# Altium PCB Gesturelink V1.PcbDoc (part 1 of 9) (continued)
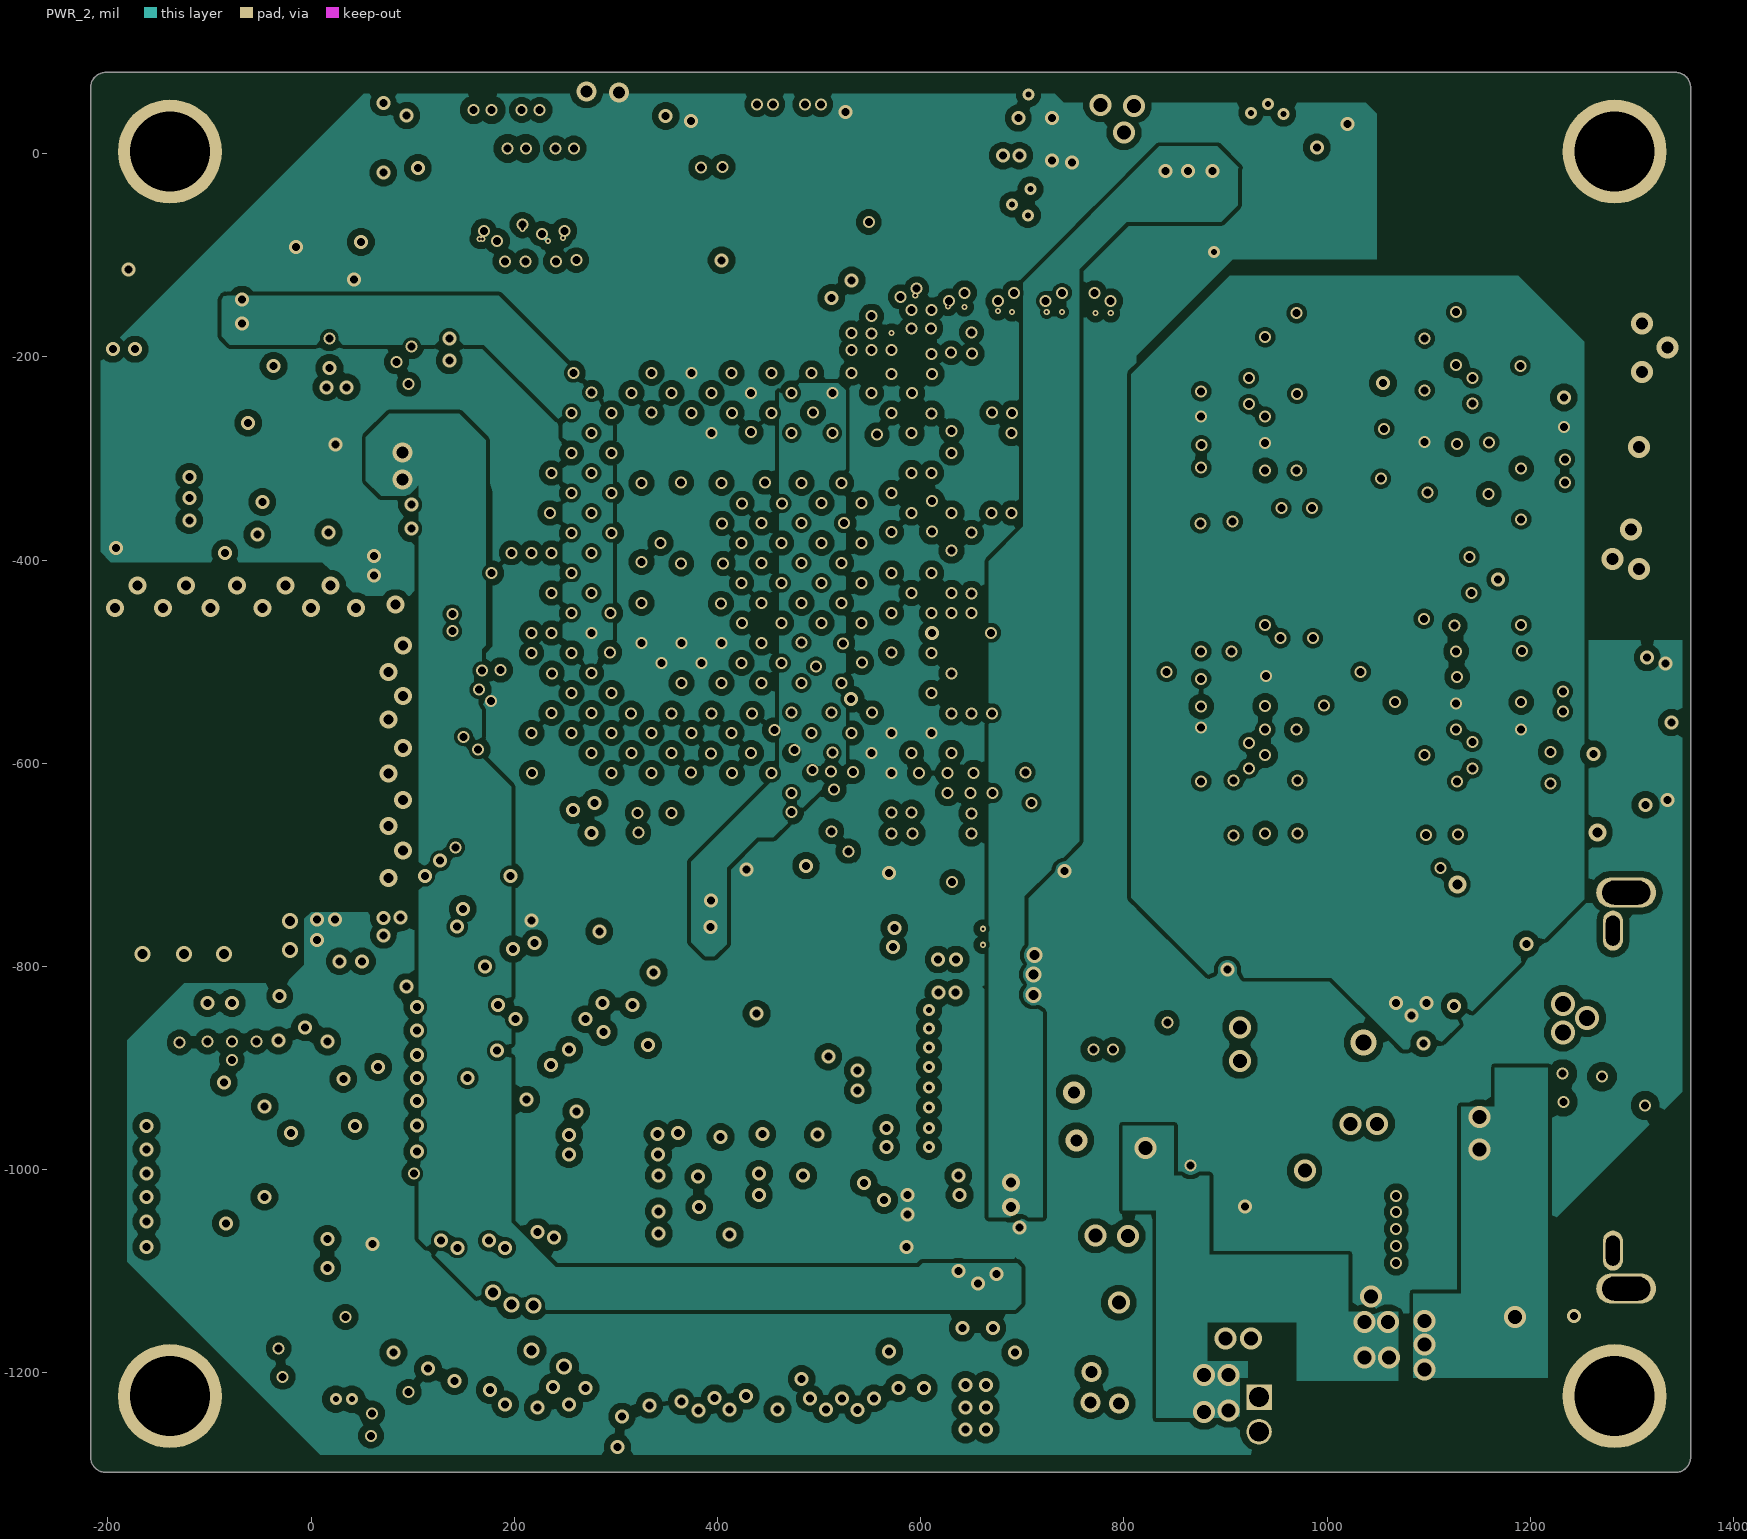
[diagram p7: PWR_2]
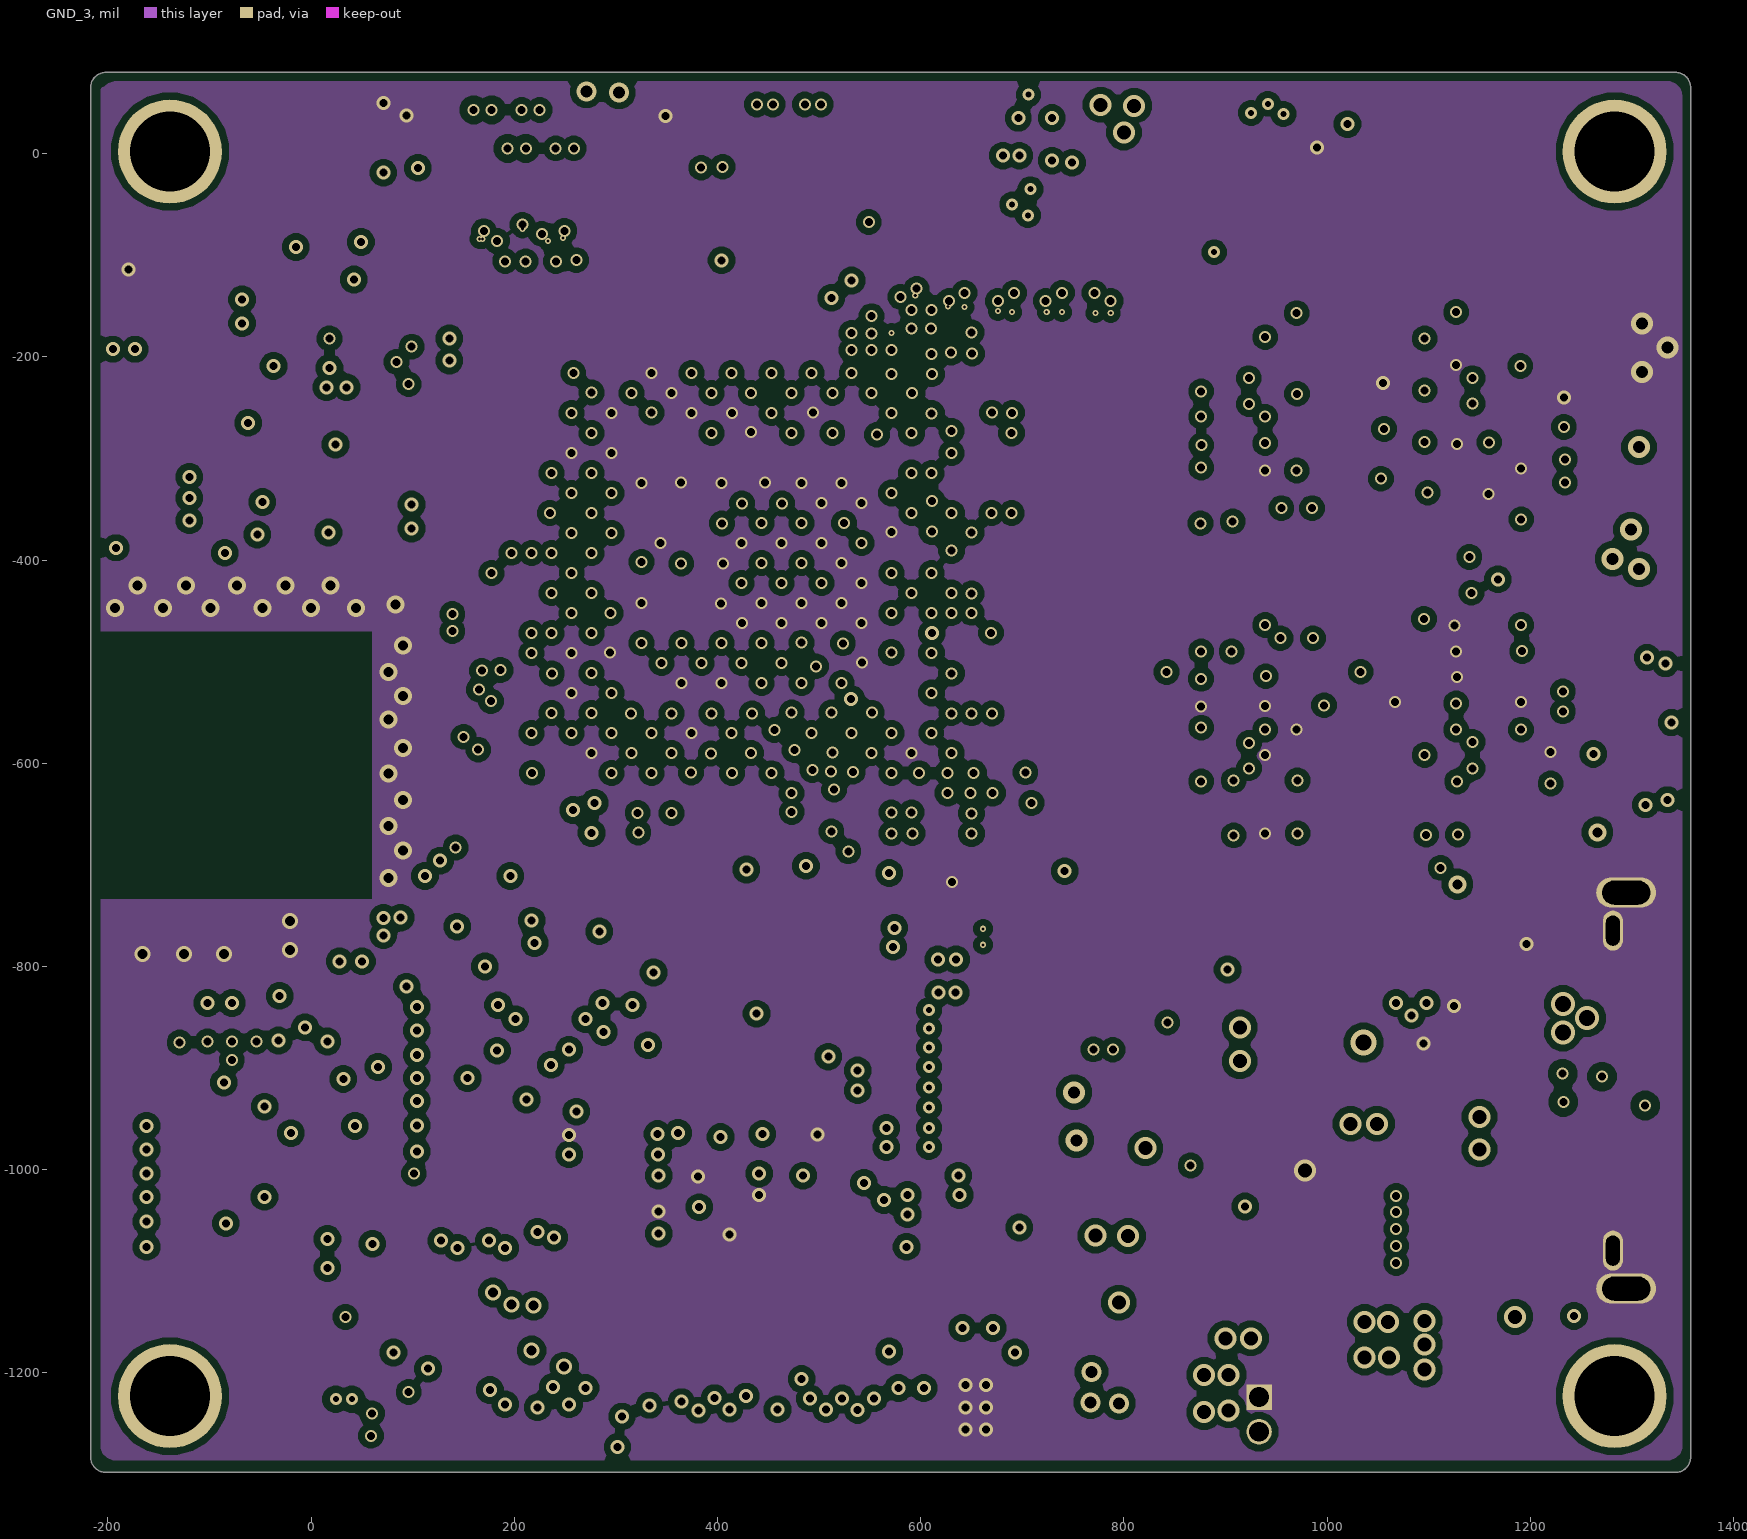
[diagram p8: GND_3]
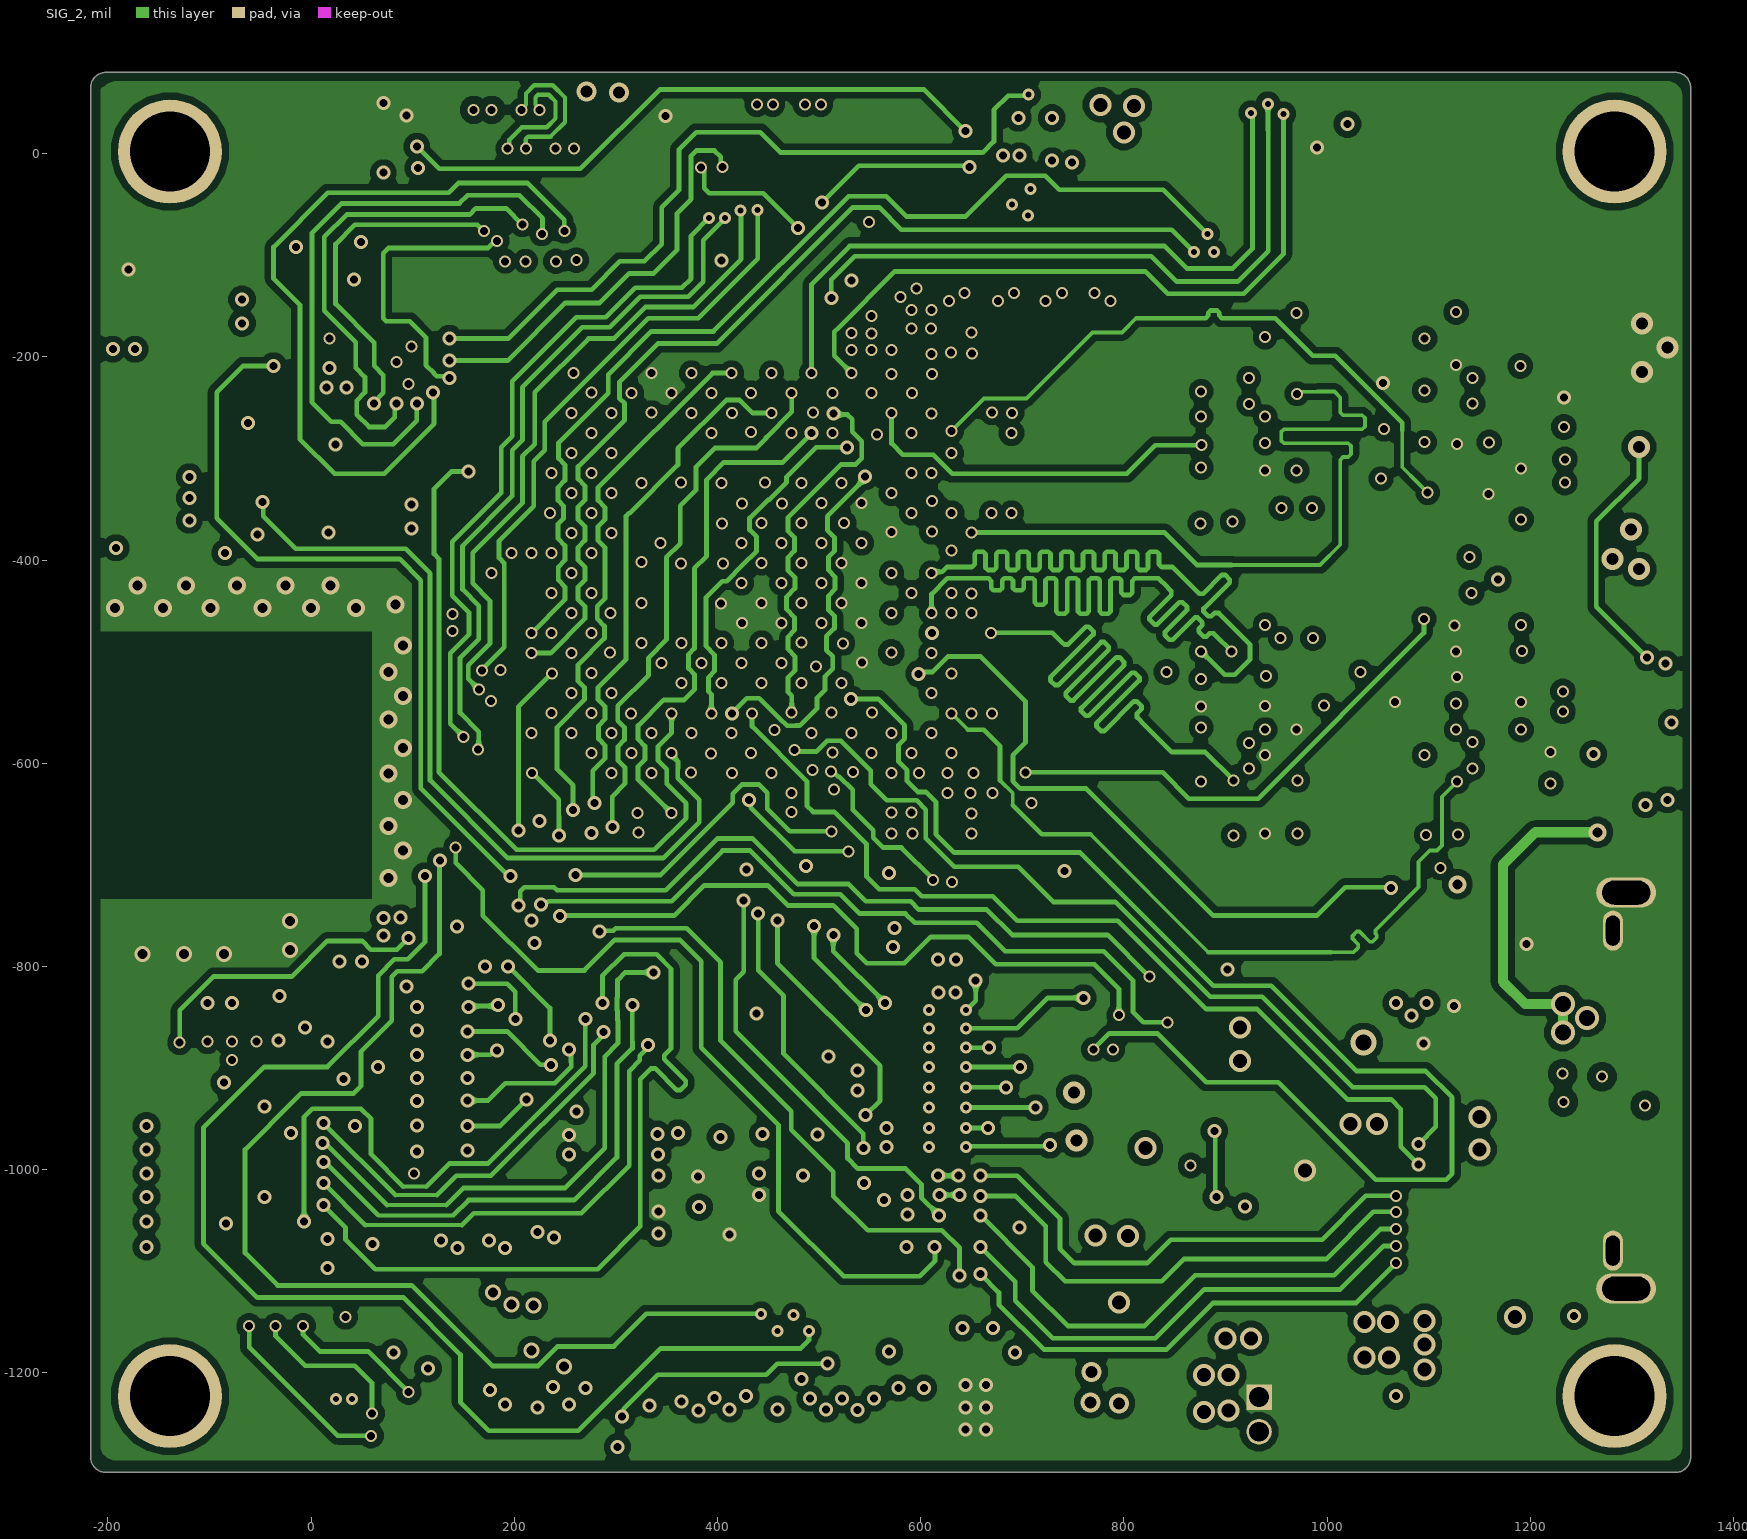
[diagram p9: SIG_2]
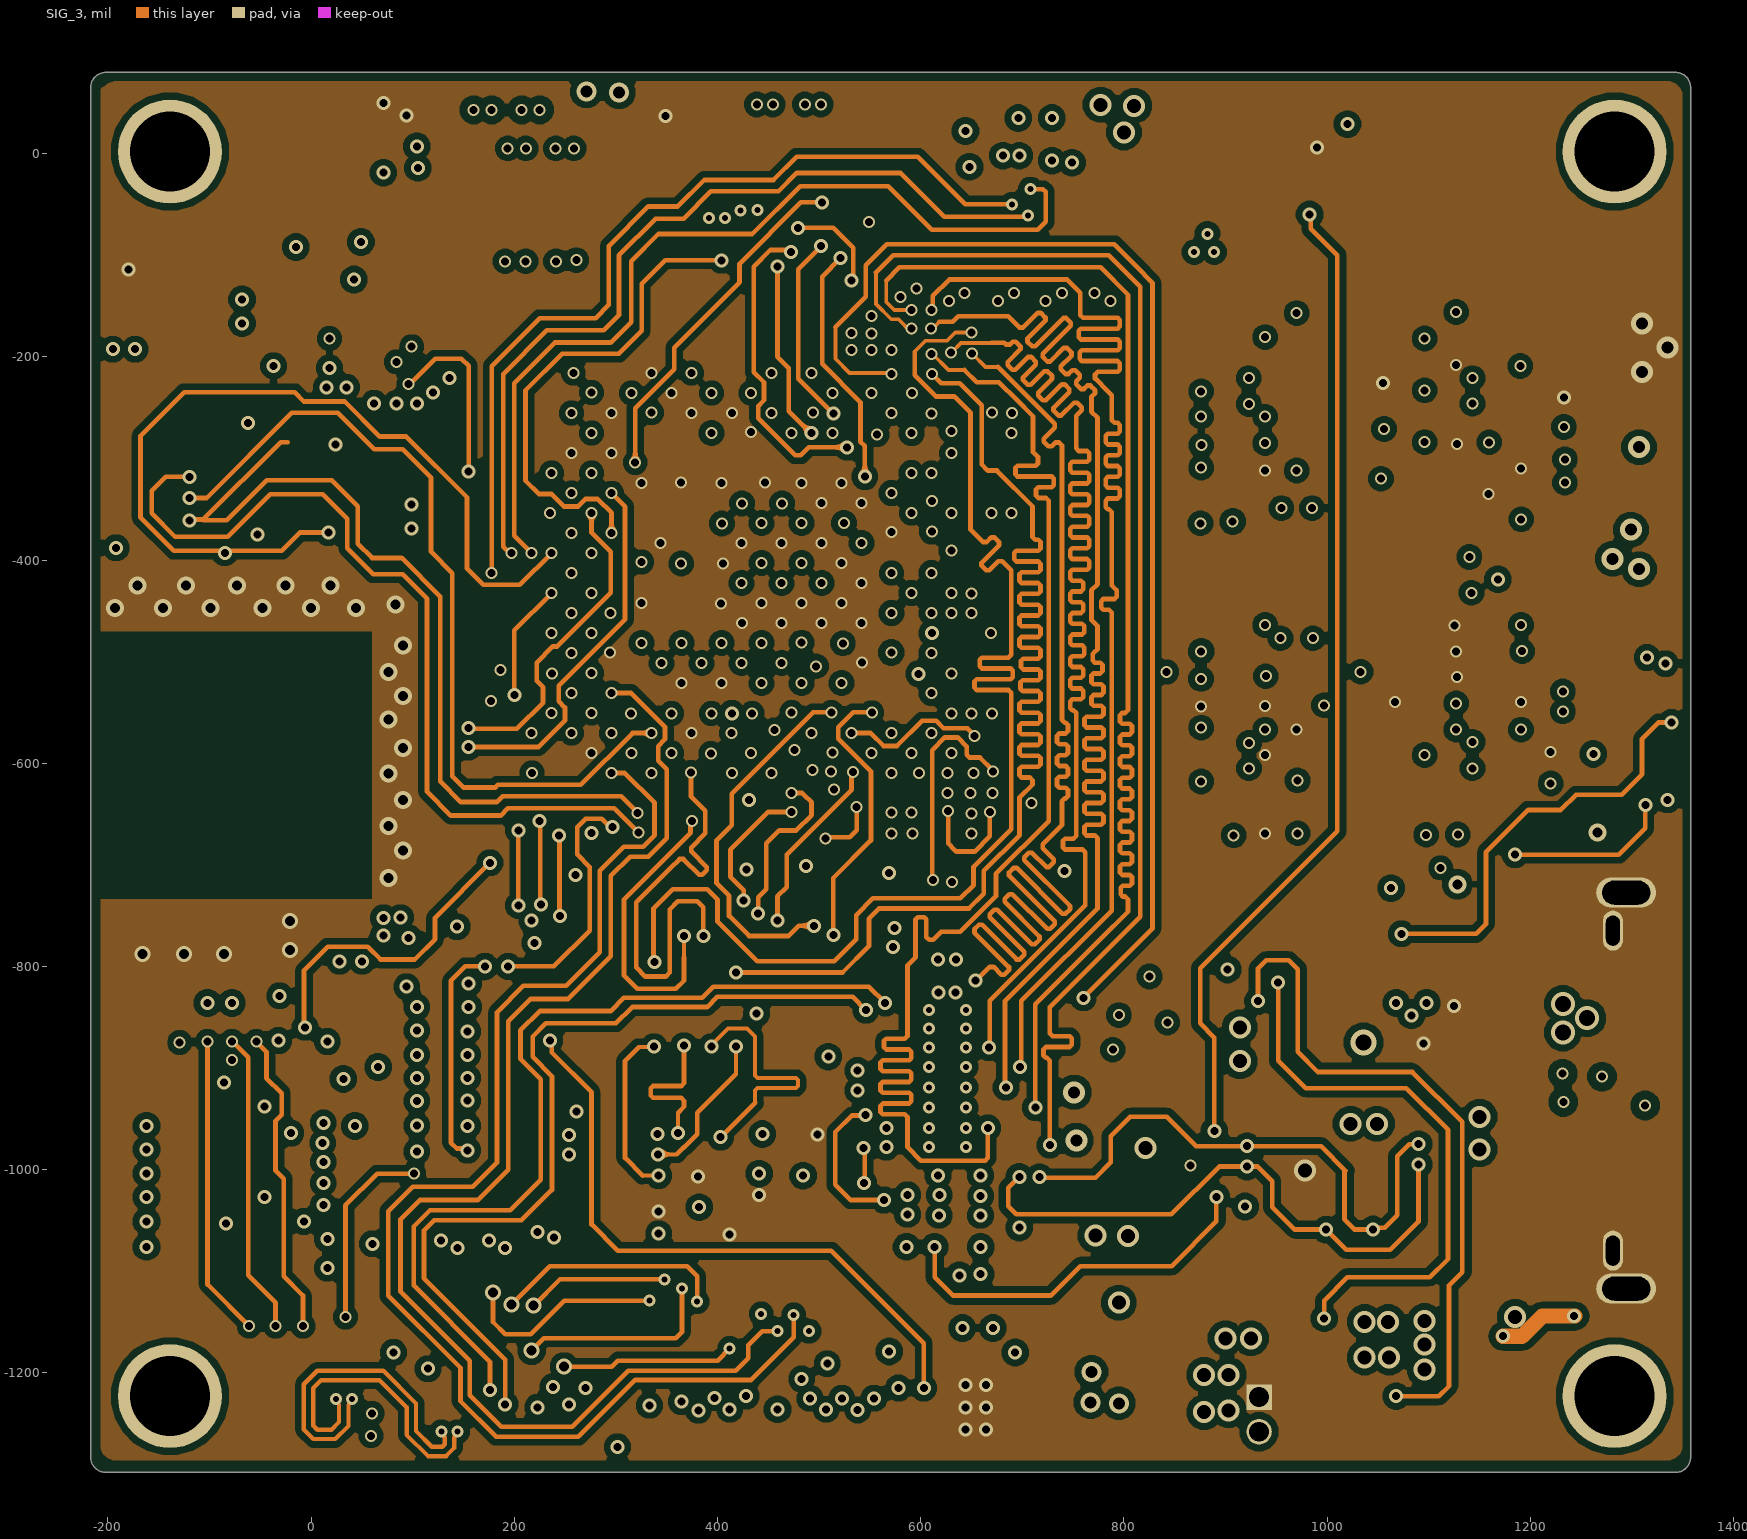
[diagram p10: SIG_3]
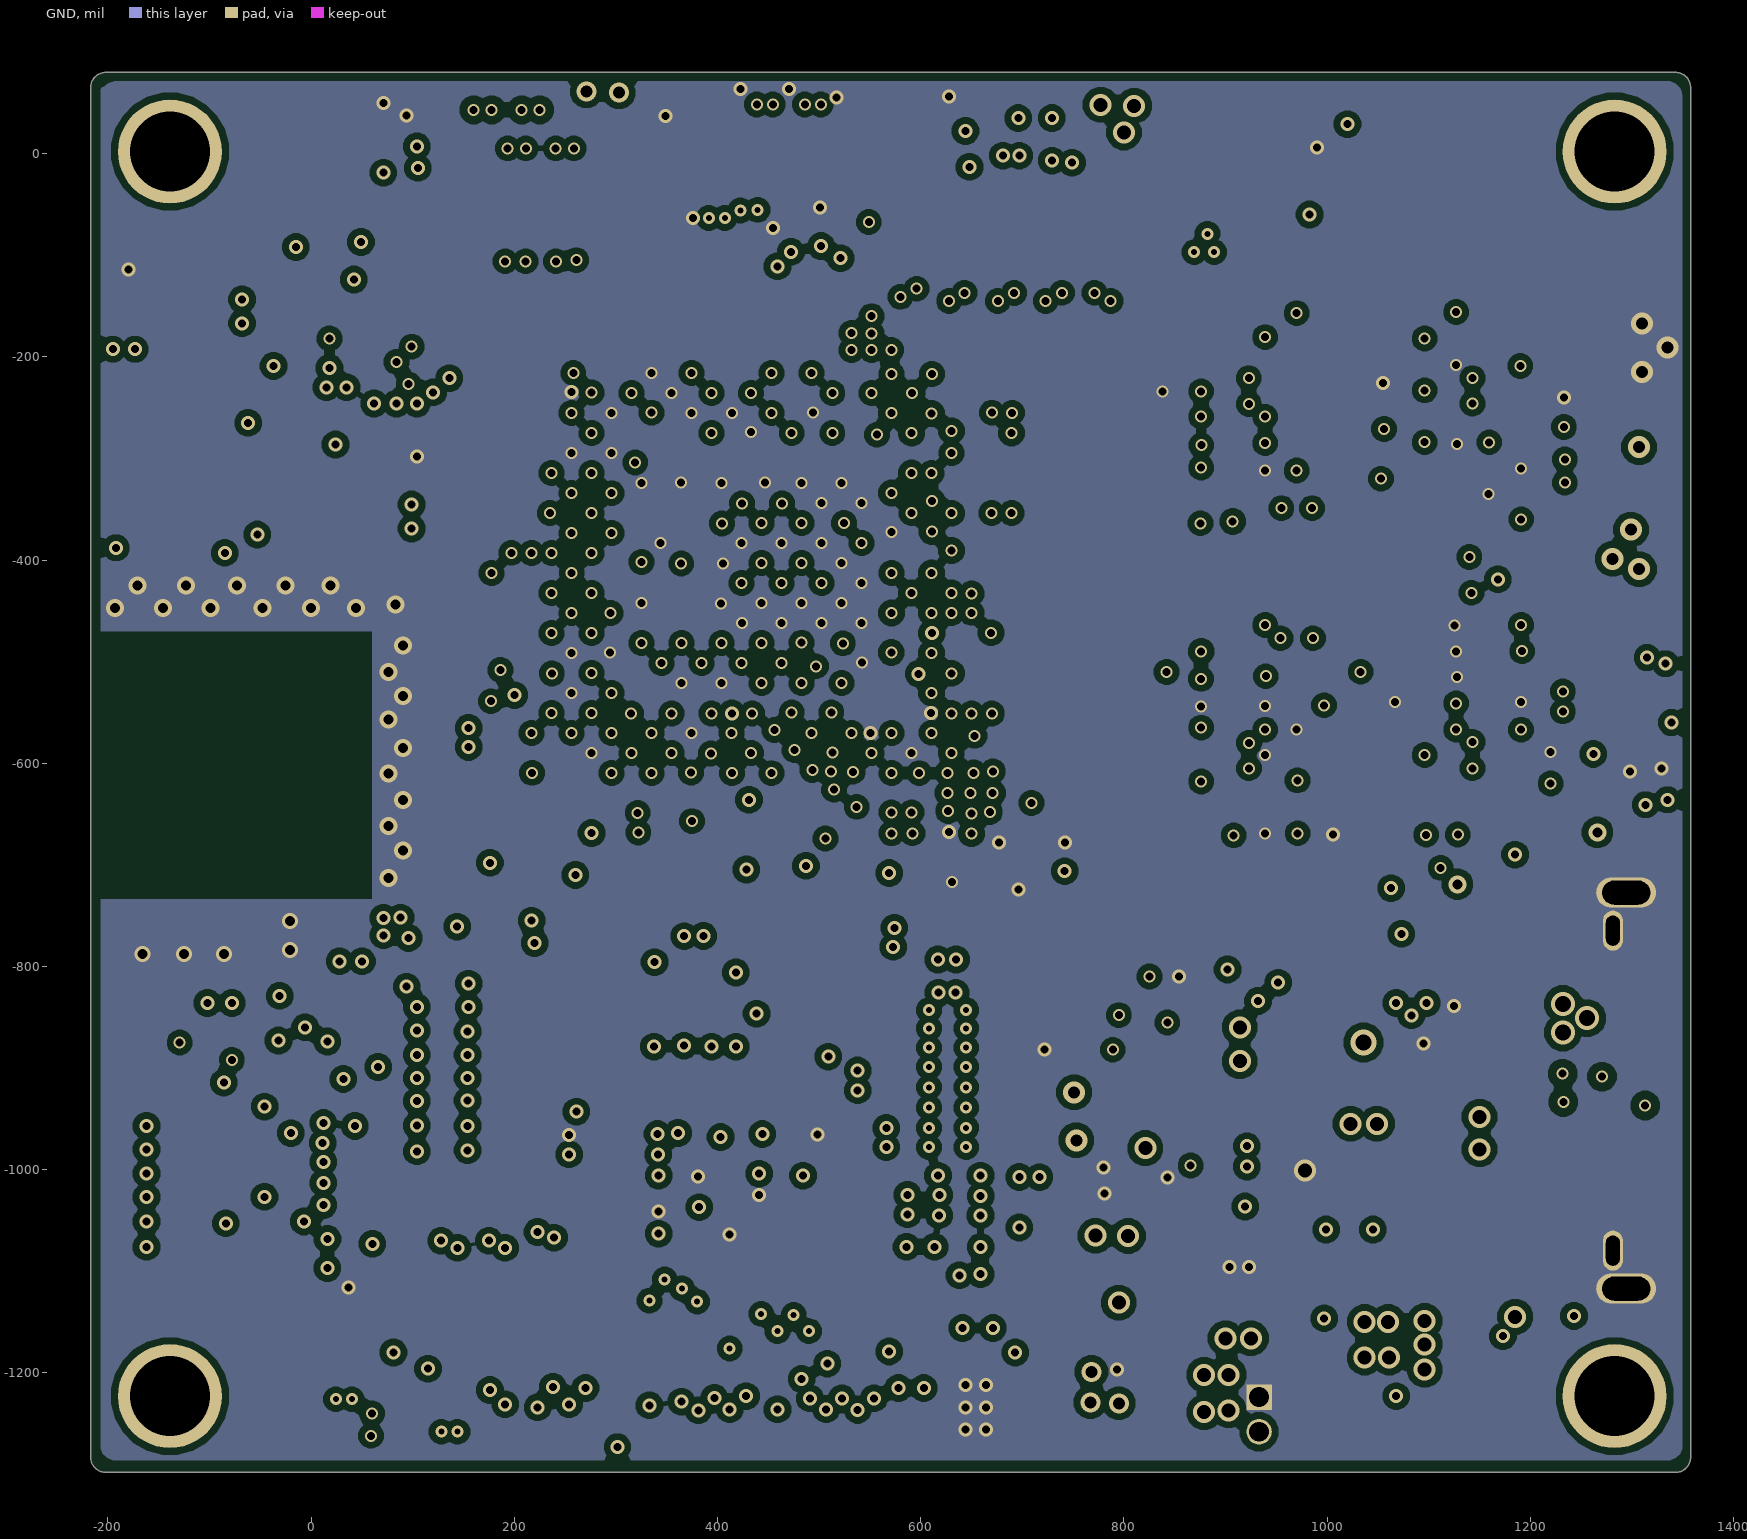
[diagram p11: GND]
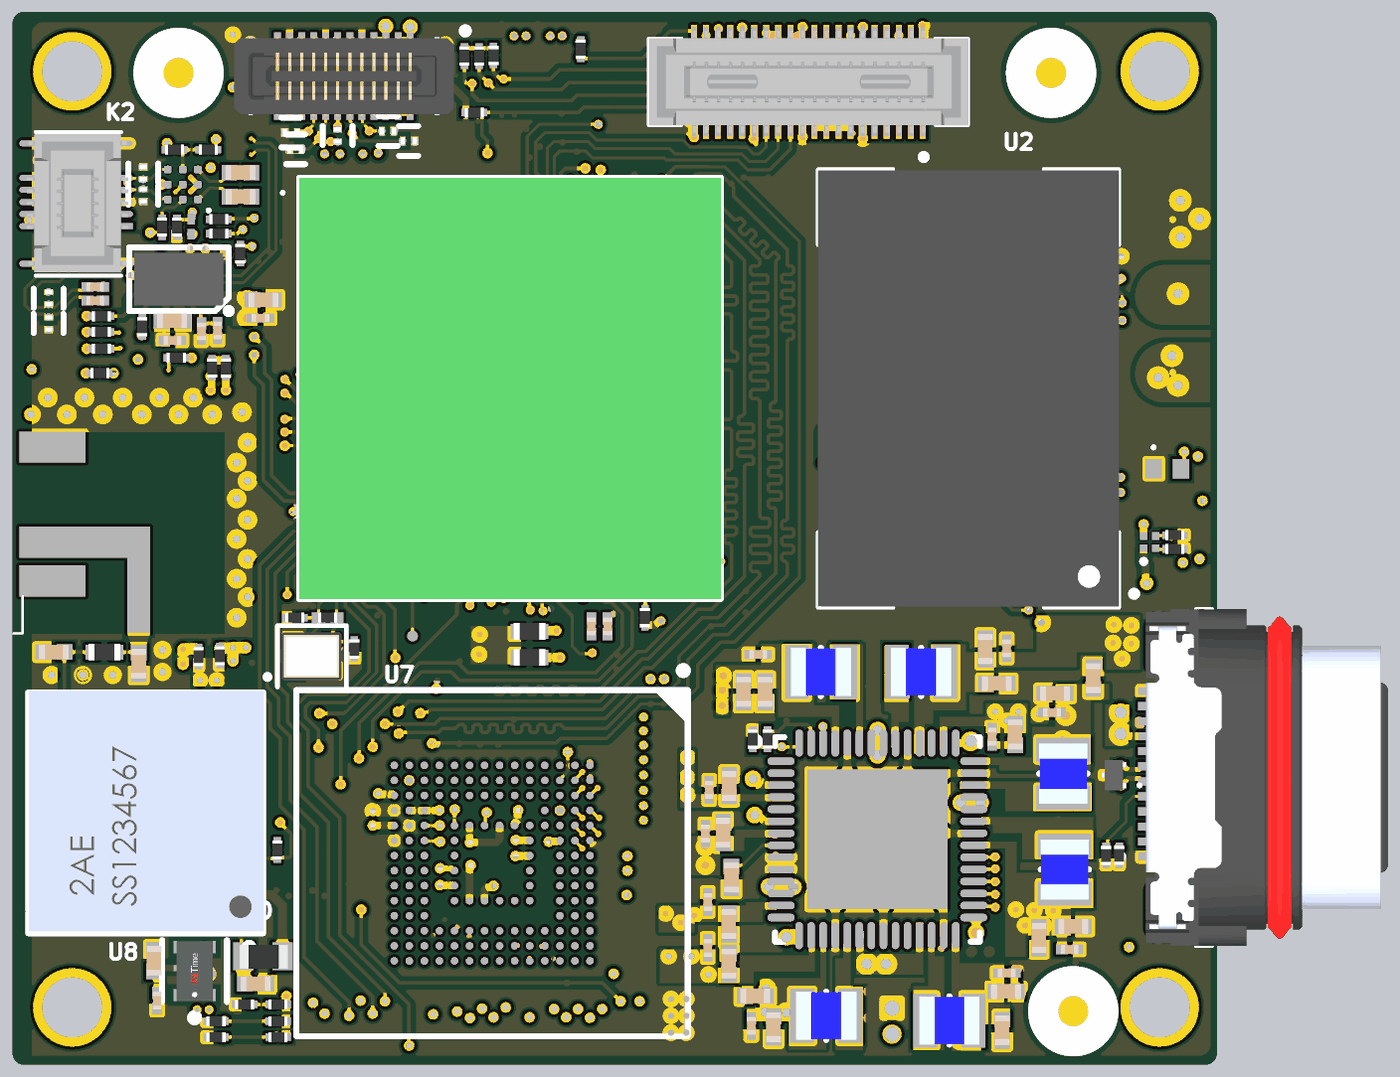
[diagram p20: 3D render of the assembled board from above, using the file's embedded part models]
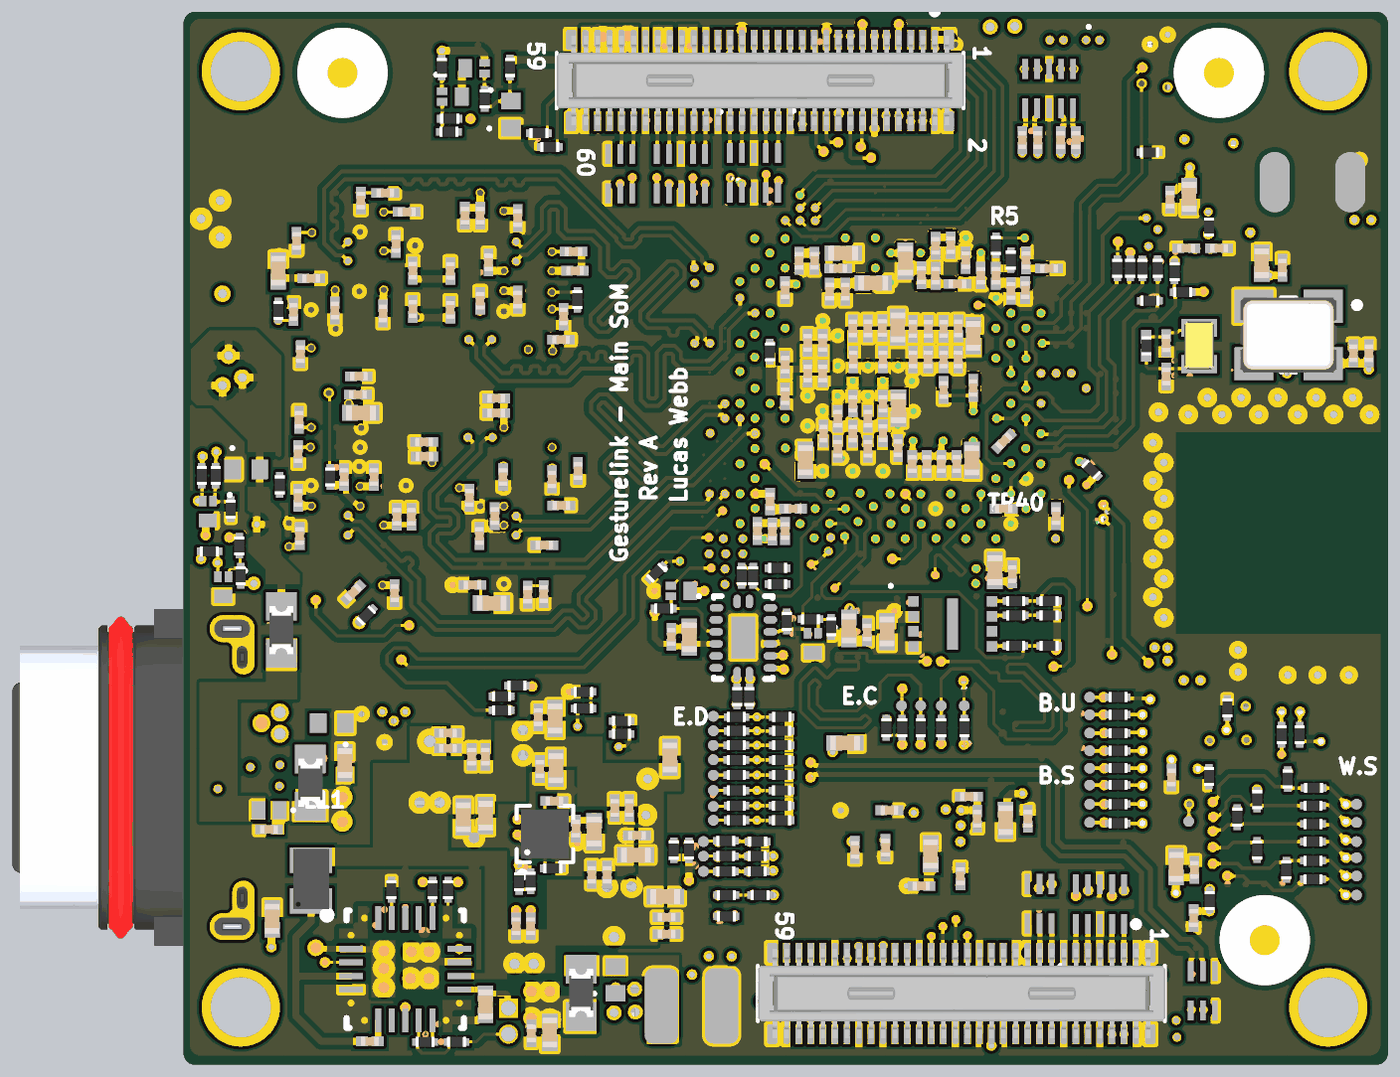
[diagram p21: 3D render of the assembled board from below, using the file's embedded part models]

## Layer stack, top to bottom
Top Solder: solder mask 0.4, Solder Resist, Dk 3.5
SIG_1: signal copper 1.378
Dielectric 2: prepreg 4.701, PP-007, Dk 4.2
GND_1: signal copper 0.598
Dielectric 4: core 7.874, Core-025, Dk 4.6
HI_SPEED_SIG_1: signal copper 0.598
Dielectric 6: prepreg 4.701, PP-007, Dk 4.2
HI_SPEED_SIG_2: signal copper 0.598
Dielectric 8: core 7.874, Core-025, Dk 4.6
GND_2: signal copper 0.598
Dielectric 10: prepreg 4.701, PP-007, Dk 4.2
PWR_1: signal copper 0.598
Dielectric 1: core 7.874, Core-017, Dk 4.1
PWR_2: signal copper 0.598
Dielectric 11: prepreg 4.701, PP-007, Dk 4.2
GND_3: signal copper 0.598
Dielectric 9: core 7.874, Core-025, Dk 4.6
SIG_2: signal copper 0.598
Dielectric 7: prepreg 4.701, PP-007, Dk 4.2
SIG_3: signal copper 0.598
Dielectric 5: core 7.874, Core-025, Dk 4.6
GND: signal copper 0.598
Dielectric 3: prepreg 4.701, PP-007, Dk 4.2
SIG_4: signal copper 1.378
Bottom Solder: solder mask 0.4, Solder Resist, Dk 3.5

## Board outline
-217,-1282.99 -217,64.96 cw(c-202,64.96) -202,79.96 1342.8,79.96 cw(c1342.8,64.96) 1357.8,64.96 1357.8,-1282.99 cw(c1342.8,-1282.99) 1342.8,-1297.99 -202,-1297.99 cw(c-202,-1282.99)

## Design rules (kind name [scope] priority, off if disabled: settings)
BackDrilling DDR_DATA [InNet('DDR_CA0_A') or InNet('DDR_CA1_A') or InNet('DDR_CA1_B') or InNet('DDR_CA0_B') or InNet('DDR_CA5_A') or InNet('DDR_CA3_A') or InNet('DDR_CA0_A') or InNet('DDR_CA2_A') or InNet('DDR_CA2_B') or InNet('DDR_CA3_B') or InNet('DDR_CA4_B') or InNet('DDR_CA5_B') or InNet('DDR_CKE1_A') or InNetClass('LPDDR4_DATA')] p1: maxstublength=10 usetopbackdrill=TRUE usebottombackdrill=TRUE holeoversize=5 holetolplus=0 holetolminus=0
BackDrilling DDR [InNet('DDR_DQM1_A') OR  InNet('DDR_DQM0_A')] p2: maxstublength=10 usetopbackdrill=TRUE usebottombackdrill=TRUE holeoversize=5 holetolplus=0 holetolminus=0
BackDrilling USB [InDifferentialPair('USB') or InDifferentialPair('USB3.0_BACK')] p3: maxstublength=10 usetopbackdrill=TRUE usebottombackdrill=TRUE holeoversize=7.87 holetolplus=3 holetolminus=3
BackDrilling "Camera High Speed" [InDifferentialPair('DSI_CK_OUT') or InDifferentialPair('DSI_D0_OUT') or InDifferentialPair('DSI_CLK') or InDifferentialPair('DSI_DATA_D0')] p4: maxstublength=10 usetopbackdrill=TRUE usebottombackdrill=TRUE holeoversize=7 holetolplus=2.5 holetolminus=2.5
BackDrilling COMBOPHY [InDifferentialPair('PCIE_RX') or InDifferentialPair('PCIE_TX') or InDifferentialPair('USB3.0_BACK')     or InDifferentialPair('PCIE_CLKIN') or InDifferentialPair('COMBO_TX')] p5: maxstublength=10 usetopbackdrill=TRUE usebottombackdrill=TRUE holeoversize=5 holetolplus=2 holetolminus=2
Clearance "MPU Capacitors" [InComponentClass('U_CPU_power') AND NOT InComponent('U1')] p1: gap=3 ignorepadtopadclearanceinfootprint=TRUE except(2.5: Arc-Fill Arc-Poly Arc-Region Track-Fill Track-Poly Track-Region; 3.5: Arc-Arc Arc-Track Arc-SMDPad Arc-THPad Arc-Via Track-Track Track-SMDPad Track-THPad Track-Via)
Clearance PWR_CHARGE [InNetClass('BAT_PACK_CHARGE_INPUT')] p2: gap=6.5 ignorepadtopadclearanceinfootprint=TRUE except(4: Fill-Fill Fill-Poly Fill-Region Poly-Poly Poly-Region Region-Region; 4.5: Arc-Arc Arc-Track Arc-SMDPad Arc-Via Track-Track Track-SMDPad Track-Via SMDPad-Via)
Clearance PWR_BUCK_GND [InNetClass('PMIC_BUCK') vs InNet('GND')] p3: gap=7 ignorepadtopadclearanceinfootprint=TRUE
Clearance LPDDR4 [InNetClass('LPDDR4_DATA')] p4: gap=3.5 ignorepadtopadclearanceinfootprint=TRUE except(0: Arc-Hole Track-Hole SMDPad-Hole THPad-Hole Via-Hole Fill-Hole Poly-Hole Region-Hole Text-Hole; 3.94: Arc-SMDPad Track-SMDPad Via-Fill Via-Poly Via-Region; 4: Arc-Via Track-Via; 4.5: SMDPad-Via THPad-Via Via-Via; 5: Arc-Text Track-Text SMDPad-Text THPad-Fill THPad-Poly THPad-Region THPad-Text Via-Text Fill-Text Poly-Text Region-Text Text-Text; 5.91: Arc-THPad Track-THPad SMDPad-SMDPad; 7.87: SMDPad-THPad THPad-THPad)
Clearance PWR_MANAGEMENT [InNetClass('PMIC_BUCK')AND InNetClass('BAT_PACK_CHARGE_IN')] p5: gap=5 ignorepadtopadclearanceinfootprint=TRUE except(0: Arc-Hole Track-Hole SMDPad-Hole THPad-Hole Via-Hole Fill-Hole Poly-Hole Region-Hole Text-Hole; 4.5: Arc-Via Track-Via SMDPad-Via THPad-Via Via-Via; 5.91: Arc-SMDPad Arc-THPad Track-SMDPad Track-THPad; 6: SMDPad-Fill SMDPad-Poly SMDPad-Region THPad-Fill THPad-Poly THPad-Region; 6.2: SMDPad-SMDPad; 7.87: SMDPad-THPad; 8: Fill-Fill Fill-Poly Fill-Region Poly-Poly Poly-Region Region-Region; 19.68: THPad-THPad)
Clearance PWR_LDO [InNetClass('POWER_LDO')] p6: gap=5 ignorepadtopadclearanceinfootprint=TRUE except(0: Arc-Hole Track-Hole SMDPad-Hole THPad-Hole Via-Hole Fill-Hole Poly-Hole Region-Hole Text-Hole; 4.5: Arc-Via Track-Via SMDPad-Via THPad-Via Via-Via; 5.91: Arc-SMDPad Arc-THPad Track-SMDPad Track-THPad; 6: SMDPad-Fill SMDPad-Poly SMDPad-Region THPad-Fill THPad-Poly THPad-Region; 6.2: SMDPad-SMDPad; 7.87: SMDPad-THPad; 19.68: THPad-THPad)
Clearance LPDDR4_PWR [InNetClass('LPDDR4_PWR')] p7: gap=5 ignorepadtopadclearanceinfootprint=TRUE except(0: Arc-Hole Track-Hole SMDPad-Hole THPad-Hole Via-Hole Fill-Hole Poly-Hole Region-Hole Text-Hole; 3.5: Arc-Arc Arc-Track Track-Track Fill-Fill Fill-Poly Fill-Region Poly-Poly Poly-Region Region-Region; 3.8: SMDPad-Fill SMDPad-Poly SMDPad-Region; 3.94: Arc-SMDPad Arc-Fill Arc-Poly Arc-Region Track-SMDPad Track-Fill Track-Poly Track-Region Via-Fill Via-Poly Via-Region; 4.5: Arc-Via Track-Via; 5.91: Arc-THPad Track-THPad; 6: SMDPad-SMDPad; 7.87: SMDPad-THPad; 10: SMDPad-Via THPad-Via; 19.68: THPad-THPad)
Clearance "General Clearence" [Not InNetClass('LPDDR4_DATA') And  Not InNetClass('LPDDR4_PWR') And Not InNetClass('PMIC_BUCK') And Not InNetClass('BAT_PACK_CHARGE_IN')] p8: gap=3.5 ignorepadtopadclearanceinfootprint=TRUE